# KiCad board PicoGUS.kicad_pcb
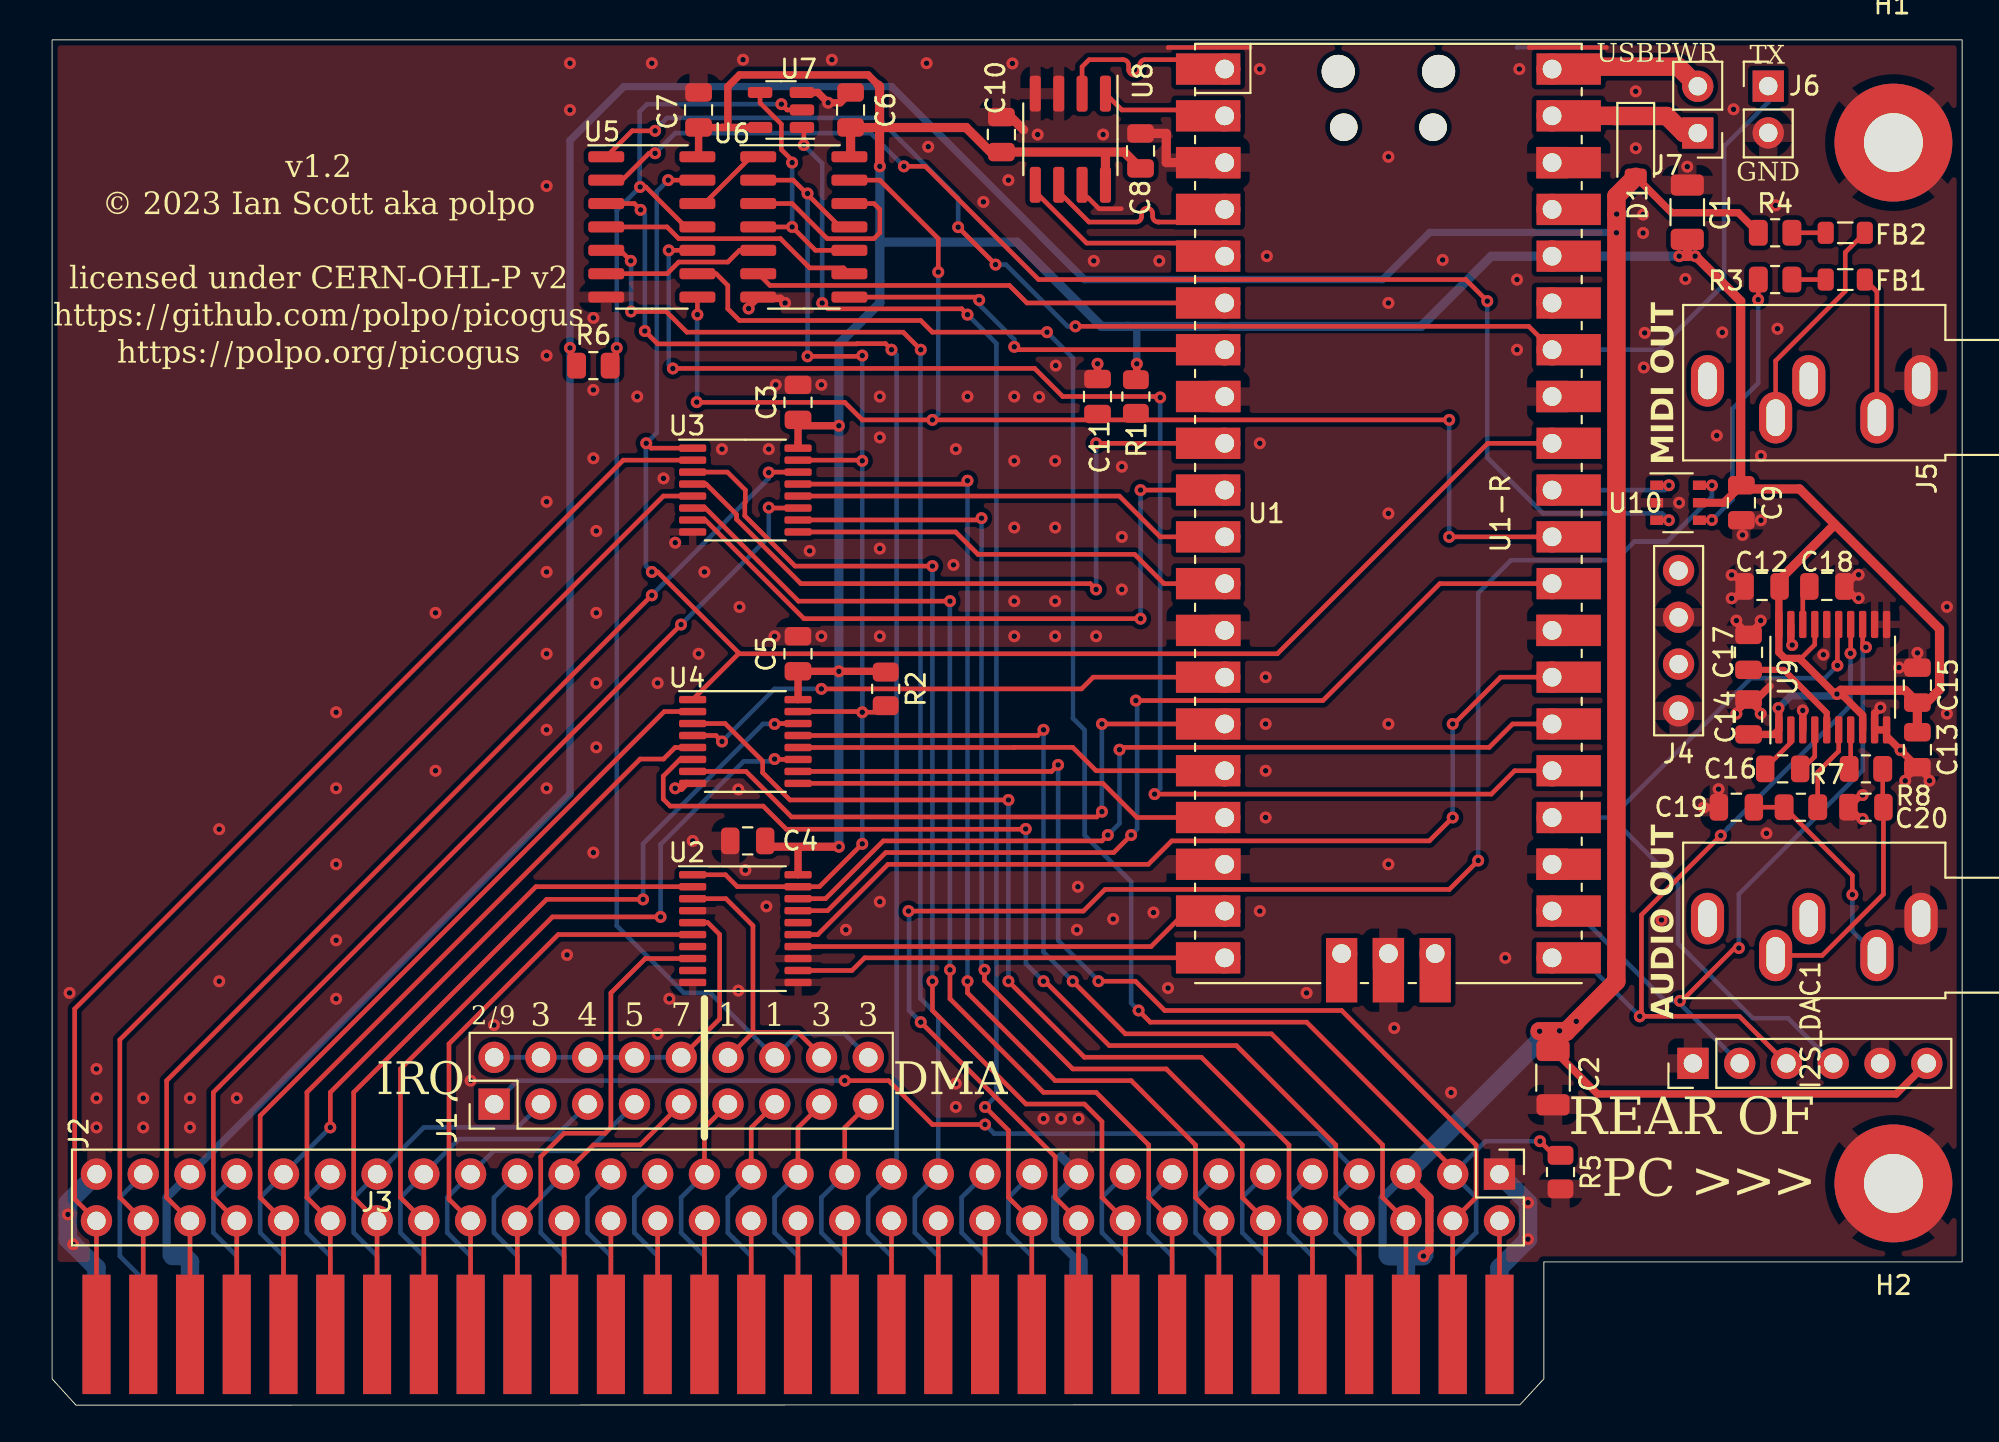
[diagram p0: board, top side]
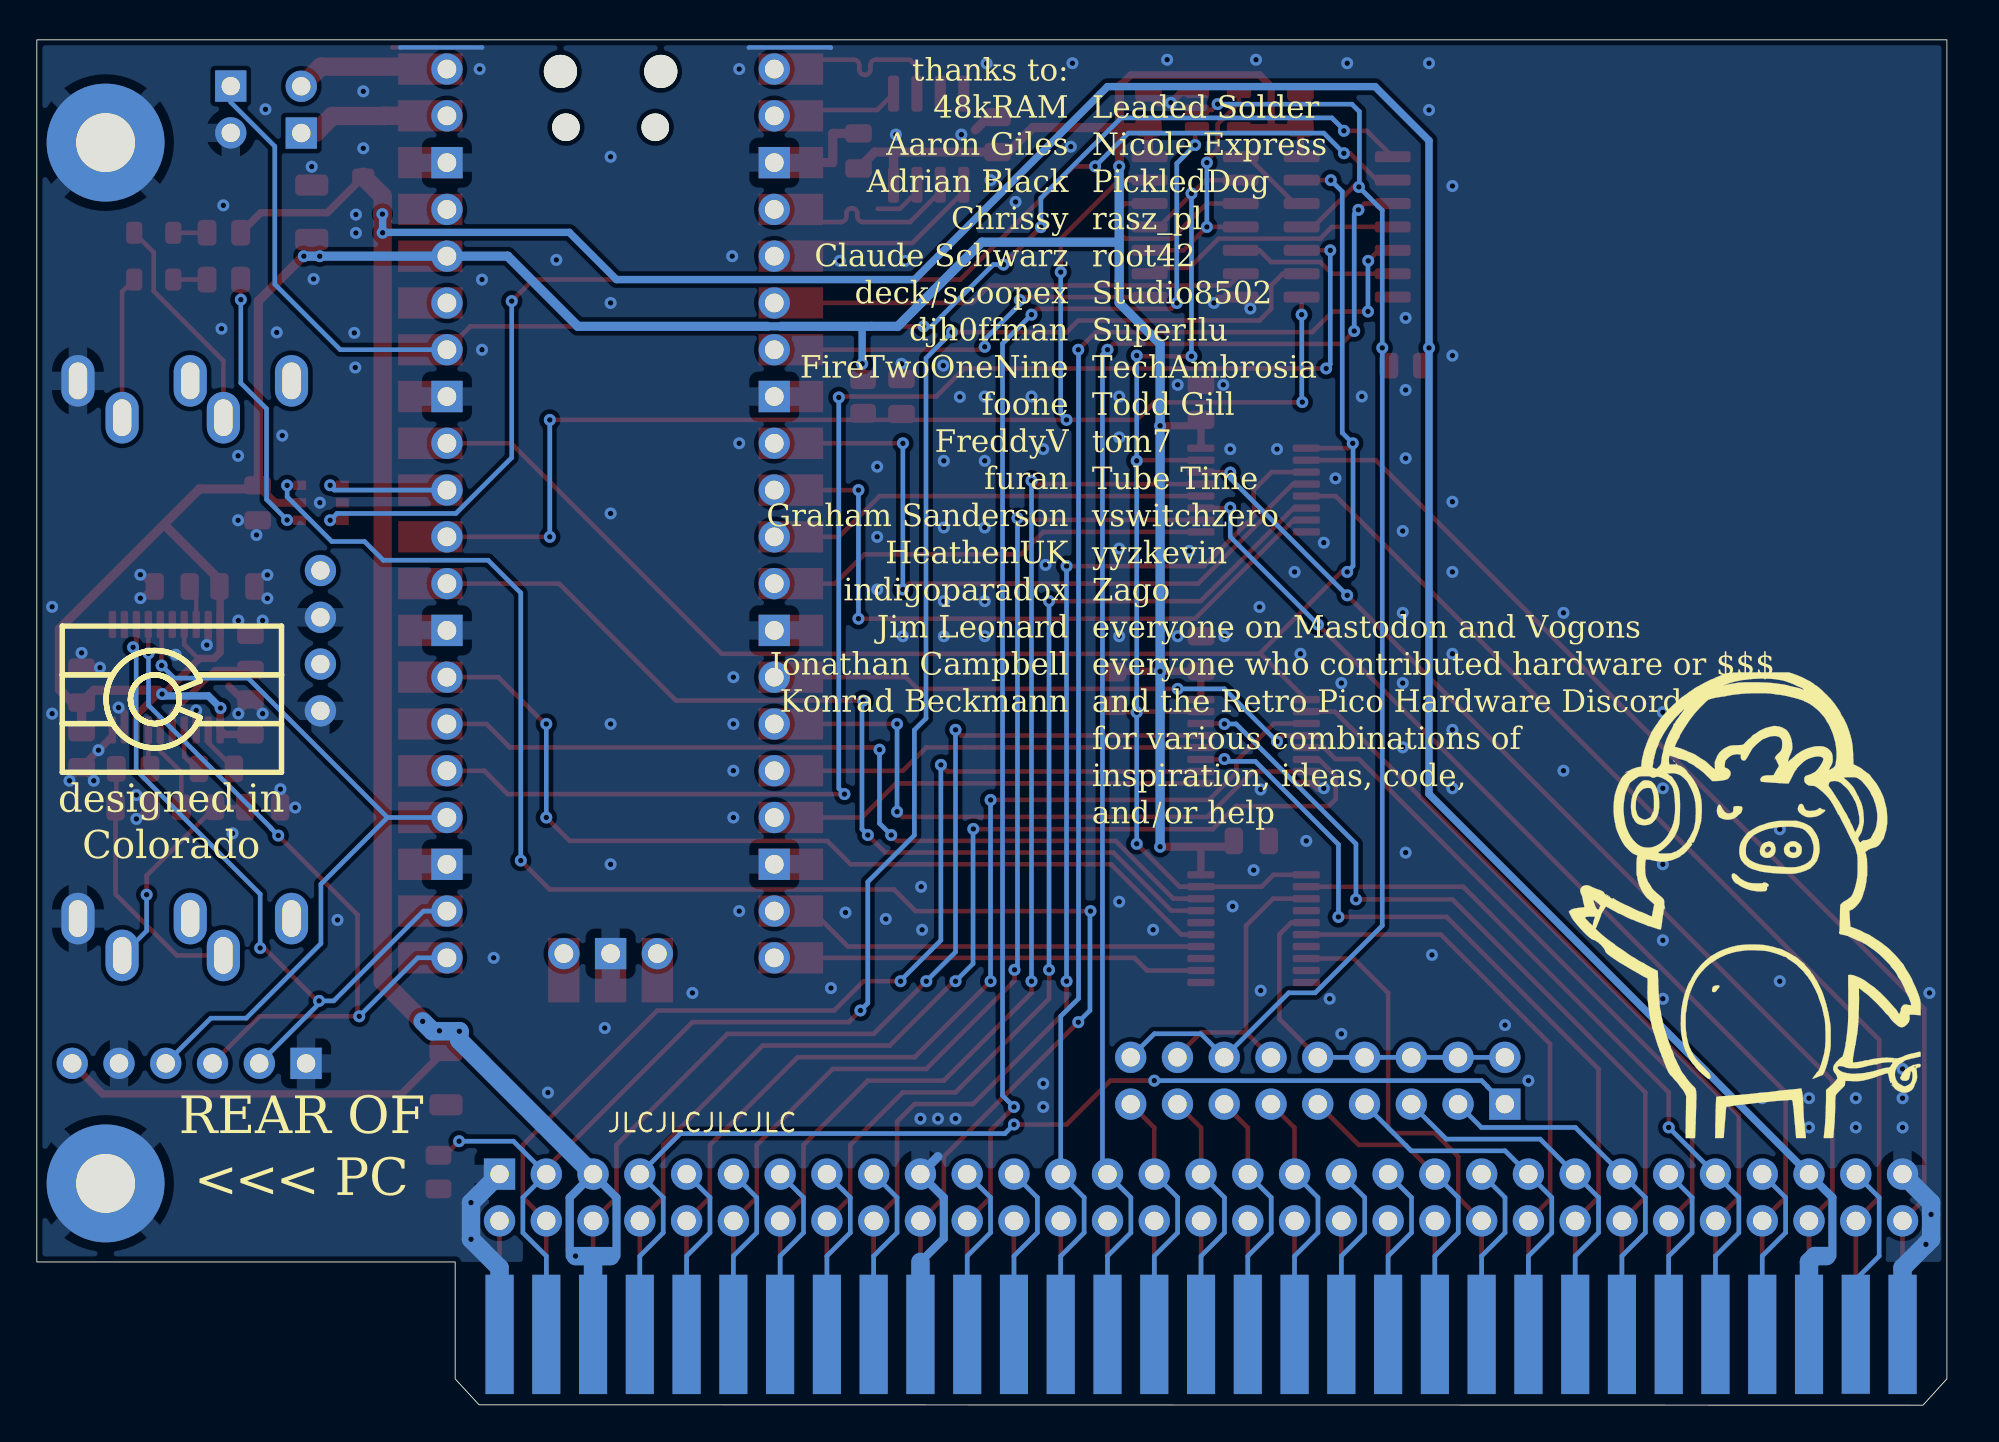
[diagram p1: board, bottom side, seen from below]

Outline 103.74 x 74.14 mm; copper layers: Top, Bottom. Coordinates in mm from the lower left corner of the outline.
Outline path: 103.74,7.78 81.02,7.78 81.02,1.43 79.72,0.02 1.3,0 0,1.43 0,74.14 103.74,74.14 closed
Stack: Top 0.035mm / dielectric 0.48mm FR4 er 4.5 / Bottom 0.035mm

## Placement (name value [footprint] x y rotation side)
C1  47uF  [C_1206_3216Metric]  88.81 64.78 90 top
C2  47uF  [C_1206_3216Metric]  81.52 17.78 270 top
C3  0.1uF  [C_0805_2012Metric]  40.51 54.45 90 top
C4  0.1uF  [C_0805_2012Metric]  37.78 30.64 180 top
C5  0.1uF  [C_0805_2012Metric]  40.51 40.8 90 top
C6  0.1uF  [C_0805_2012Metric]  43.37 70.33 90 top
C7  0.1uF  [C_0805_2012Metric]  35.11 70.33 90 top
C8  0.1uF  [C_0805_2012Metric]  59.12 68.1 90 top
C9  0.1uF  [C_0805_2012Metric]  91.75 49 270 top
C10  1uF  [C_0805_2012Metric]  51.56 68.99 90 top
C11  0.1uF  [C_0805_2012Metric]  56.78 54.77 90 top
C12  0.1uF  [C_0805_2012Metric]  92.87 44.46 0 top
C13  0.1uF  [C_0805_2012Metric]  101.31 35.59 90 top
C14  0.1uF  [C_0805_2012Metric]  92.14 37.37 270 top
C15  10uF  [C_0805_2012Metric]  101.31 39.1 90 top
C16  2.2uF  [C_0805_2012Metric]  93.99 34.55 0 top
C17  2.2uF  [C_0805_2012Metric]  92.14 40.87 90 top
C18  0.1uF  [C_0805_2012Metric]  96.39 44.46 0 top
C19  2.2nF  [C_0805_2012Metric]  91.48 32.47 0 top
C20  2.2nF  [C_0805_2012Metric]  98.51 32.47 0 top
D1  D_Schottky  [D_SOD-123]  86.01 68.35 270 top
FB1  1KOhm @ 100MHz  [L_0805_2012Metric]  97.39 61.12 0 top
FB2  1KOhm @ 100MHz  [L_0805_2012Metric]  97.39 63.66 0 top
H1  -  [MountingHole_3.2mm_M3_Pad]  100.01 68.56 0 top
H2  -  [MountingHole_3.2mm_M3_Pad]  100.01 12.04 0 top
I2S_DAC1  GY PCM5102  [PinHeader_1x06_P2.54mm_Vertical]  89.12 18.56 90 top
J1  IRQDMA_JP  [PinHeader_2x09_P2.54mm_Vertical]  24.01 16.35 90 top
J2  Conn_02x31_Top_Bottom  [PinHeader_2x31_P2.54mm_Vertical]  78.61 12.55 270 top
J3  Bus_ISA_8bit  [BUS_PC_chamfer]  40.51 4.03 0 top
J4  Conn_01x04_Pin  [PinHeader_1x04_P2.54mm_Vertical]  88.34 37.7 180 top
J5  SJ1-3535NG  [Jack_3.5mm_CUI_SJ1-3535NG_Horizontal]  101.51 55.62 270 top
J6  UART_TX  [PinHeader_1x02_P2.54mm_Vertical]  93.21 71.62 0 top
J7  Conn_01x02_Pin  [PinHeader_1x02_P2.54mm_Vertical]  89.38 69.07 180 top
J8  SJ1-3535NG  [Jack_3.5mm_CUI_SJ1-3535NG_Horizontal]  101.51 26.42 270 top
R1  1K  [R_0805_2012Metric]  58.86 54.77 270 top
R2  15K  [R_0805_2012Metric]  45.27 38.89 270 top
R3  220  [R_0805_2012Metric]  93.58 61.12 0 top
R4  220  [R_0805_2012Metric]  93.58 63.66 180 top
R5  15K  [R_0805_2012Metric]  81.92 12.66 270 top
R6  15K  [R_0805_2012Metric]  29.4 56.45 0 top
R7  470  [R_0805_2012Metric]  94.98 32.47 180 top
R8  470  [R_0805_2012Metric]  98.51 34.55 0 top
U1  Pico  [RPi_Pico_SMD_TH]  72.58 48.42 0 top
U1-R  GHOST-20P  [Ghost-20P]  81.47 48.42 90 top
U2  74LVC244  [TSSOP-20_4.4x6.5mm_P0.65mm]  37.65 25.88 0 top
U3  SN74CB3T3257  [TSSOP-16_4.4x5mm_P0.65mm]  37.65 49.69 0 top
U4  SN74CB3T3257  [TSSOP-16_4.4x5mm_P0.65mm]  37.65 36.04 0 top
U5  74AHC14  [SOIC-14_3.9x8.7mm_P1.27mm]  32.57 63.98 0 top
U6  74LVC00  [SOIC-14_3.9x8.7mm_P1.27mm]  40.83 63.98 0 top
U7  74LVC1G00  [SOT-23-5]  39.59 70.33 180 top
U8  APS6404L-3SQR-SN  [SOIC-8_3.9x4.9mm_P1.27mm]  55.31 68.74 270 top
U9  PCM5100  [TSSOP-20_4.4x6.5mm_P0.65mm]  96.71 39.53 90 top
U10  74LVC2G06  [TSOP-6_1.65x3.05mm_P0.95mm]  88.31 49 0 top

## Library data of the parts
C1 C2 = -: Description: Polarized capacitor, US symbol
C3-C11 = -: Description: Unpolarized capacitor
C12-C20 = -: Description: Unpolarized capacitor, small symbol
D1 = -: Description: Schottky diode
FB1 FB2 = -: Description: Ferrite bead
H1 H2 = -: Description: Mounting Hole with connection
I2S_DAC1 = -: Description: Generic connector, single row, 01x06, script generated
J1 = -: Description: Generic connector, double row, 02x09, odd/even pin numbering scheme (row 1 odd numbers, row 2 even numbers), script generated (kicad-library-utils/schlib/autogen/connector/)
J2 = -: Description: Generic connector, double row, 02x31, top/bottom pin numbering scheme (row 1: 1...pins_per_row, row2: pins_per_row+1 ... num_pins), script generated (kicad-library-utils/schlib/autogen/connector/)
J3 = -: Description: 8-bit ISA-PC bus connector
J4 = -: Description: Generic connector, single row, 01x04, script generated
J5 = -: Description: Audio Jack, 3 Poles (Stereo / TRS), Switched TR Poles (Normalling)
J6 = -: Description: Generic connector, single row, 01x02, script generated (kicad-library-utils/schlib/autogen/connector/)
J7 = -: Description: Generic connector, single row, 01x02, script generated
J8 = -: Description: Audio Jack, 3 Poles (Stereo / TRS)
R1-R6 = -: Description: Resistor
R7 R8 = -: Description: Resistor, small symbol
U2 = -: Description: 8-bit Buffer/Line Driver 3-state
U3 U4 = -: Description: 74FST3257DR2G, LOG QUAD 2:1 MULTIPLEXER ON Semiconductor 74FST3257DR2G, Multiplexer Switch IC Quad 2:1 Demultiplexer, 4  5.5 V, 16-Pin SOIC; Arrow Part Number: 74FST3257DR2G; Arrow Price/Stock: https://www.arrow.com/en/products/74fst3257dr2g/on-semiconductor?region=nac; Height: 1.75; Manufacturer_Name: onsemi; Manufacturer_Part_Number: 74FST3257DR2G; Mouser Part Number: 863-74FST3257DR2G; Mouser Price/Stock: https://www.mouser.co.uk/ProductDetail/onsemi/74FST3257DR2G?qs=OSf9jACorvaK4JqsHVrhPw%3D%3D
U5 = -: Description: Hex inverter schmitt trigger
U6 = -: Description: quad 2-input NAND gate
U7 = -: Description: Single NAND Gate, Low-Voltage CMOS
U8 = -: Description: 32 Mbit serial pseudo SRAM device organized as 4Mx8 bits, 1.8 VCC, SOIC8 (SOP8)
U9 = -: Description: 2VRMS DirectPath, 100dB Audio Stereo DAC with 32-bit, 384kHz PCM Interface, TSSOP-20
U10 = -: Description: Dual NOT Gate w/ Open Drain, Low-Voltage CMOS

## Footprints (pads in the part's own frame, mm; a bottom-side part is the same pattern mirrored in y, then rotated)
BUS_PC_chamfer
  rect 1.524x6.478 smd far side: 1(38.1,-0.191) 2(35.56,-0.191) 3(33.02,-0.191) 4(30.48,-0.191) 5(27.94,-0.191) 6(25.4,-0.191) 7(22.86,-0.191) 8(20.32,-0.191) 9(17.78,-0.191) 10(15.24,-0.191) 11(12.7,-0.191) 12(10.16,-0.191) 13(7.62,-0.191) 14(5.08,-0.191) 15(2.54,-0.191) 16(0,-0.191) 17(-2.54,-0.191) 18(-5.08,-0.191) 19(-7.62,-0.191) 20(-10.16,-0.191) 21(-12.7,-0.191) 22(-15.24,-0.191) 23(-17.78,-0.191) 24(-20.32,-0.191) 25(-22.86,-0.191) 26(-25.4,-0.191) 27(-27.94,-0.191) 28(-30.48,-0.191) 29(-33.02,-0.191) 31(-38.1,-0.191)
  rect 1.524x6.458 smd far side: 30(-35.56,-0.181)
  rect 1.524x6.478 smd: 32(38.1,-0.191) 33(35.56,-0.191) 34(33.02,-0.191) 35(30.48,-0.191) 36(27.94,-0.191) 37(25.4,-0.191) 38(22.86,-0.191) 39(20.32,-0.191) 40(17.78,-0.191) 41(15.24,-0.191) 42(12.7,-0.191) 43(10.16,-0.191) 44(7.62,-0.191) 45(5.08,-0.191) 46(2.54,-0.191) 47(0,-0.191) 48(-2.54,-0.191) 49(-5.08,-0.191) 50(-7.62,-0.191) 51(-10.16,-0.191) 52(-12.7,-0.191) 53(-15.24,-0.191) 54(-17.78,-0.191) 55(-20.32,-0.191) 56(-22.86,-0.191) 57(-25.4,-0.191) 58(-27.94,-0.191) 59(-30.48,-0.191) 60(-33.02,-0.191) 61(-35.56,-0.191) 62(-38.1,-0.191)
C_0805_2012Metric
  rrect 1x1.45 smd: 1(-0.95,0) 2(0.95,0)
C_1206_3216Metric
  rrect 1.15x1.8 smd: 1(-1.475,0) 2(1.475,0)
D_SOD-123
  rrect 0.9x1.2 smd: 1(-1.65,0) 2(1.65,0)
Ghost-20P
  round 1 smd: (-24.13,0) (-21.59,0) (-19.05,0) (-16.51,0) (-13.97,0) (-11.43,0) (-8.89,0) (-6.35,0) (-3.81,0) (-1.27,0) (1.27,0) (3.81,0) (6.35,0) (8.89,0) (11.43,0) (13.97,0) (16.51,0) (19.05,0) (21.59,0) (24.13,0)
Jack_3.5mm_CUI_SJ1-3535NG_Horizontal
  oval 2.8x1.8 hole 2x1: R(2,-7.9) RN(0,-6.1) S(0,0) T(2,-2.4) TN(0,-11.6)
L_0805_2012Metric
  rrect 0.875x1.2 smd: 1(-1.062,0) 2(1.062,0)
MountingHole_3.2mm_M3_Pad
  round 6.4 hole 3.2: 1(0,0)
PinHeader_1x02_P2.54mm_Vertical
  rect 1.7x1.7 hole 1: 1(0,0)
  oval 1.7x1.7 hole 1: 2(0,-2.54)
PinHeader_1x04_P2.54mm_Vertical
  oval 1.7x1.7 hole 1: 1(0,0) 2(0,-2.54) 3(0,-5.08) 4(0,-7.62)
PinHeader_1x06_P2.54mm_Vertical
  rect 1.7x1.7 hole 1: 1(0,0)
  oval 1.7x1.7 hole 1: 2(0,-2.54) 3(0,-5.08) 4(0,-7.62) 5(0,-10.16) 6(0,-12.7)
PinHeader_2x09_P2.54mm_Vertical
  rect 1.7x1.7 hole 1: 1(0,0)
  oval 1.7x1.7 hole 1: 2(2.54,0) 3(0,-2.54) 4(2.54,-2.54) 5(0,-5.08) 6(2.54,-5.08) 7(0,-7.62) 8(2.54,-7.62) 9(0,-10.16) 10(2.54,-10.16) 11(0,-12.7) 12(2.54,-12.7) 13(0,-15.24) 14(2.54,-15.24) 15(0,-17.78) 16(2.54,-17.78) 17(0,-20.32) 18(2.54,-20.32)
PinHeader_2x31_P2.54mm_Vertical
  rect 1.7x1.7 hole 1: 1(0,0)
  oval 1.7x1.7 hole 1: 2(0,-2.54) 3(0,-5.08) 4(0,-7.62) 5(0,-10.16) 6(0,-12.7) 7(0,-15.24) 8(0,-17.78) 9(0,-20.32) 10(0,-22.86) 11(0,-25.4) 12(0,-27.94) 13(0,-30.48) 14(0,-33.02) 15(0,-35.56) 16(0,-38.1) 17(0,-40.64) 18(0,-43.18) 19(0,-45.72) 20(0,-48.26) 21(0,-50.8) 22(0,-53.34) 23(0,-55.88) 24(0,-58.42) 25(0,-60.96) 26(0,-63.5) 27(0,-66.04) 28(0,-68.58) 29(0,-71.12) 30(0,-73.66) 31(0,-76.2) 32(2.54,0) 33(2.54,-2.54) 34(2.54,-5.08) 35(2.54,-7.62) 36(2.54,-10.16) 37(2.54,-12.7) 38(2.54,-15.24) 39(2.54,-17.78) 40(2.54,-20.32) 41(2.54,-22.86) 42(2.54,-25.4) 43(2.54,-27.94) 44(2.54,-30.48) 45(2.54,-33.02) 46(2.54,-35.56) 47(2.54,-38.1) 48(2.54,-40.64) 49(2.54,-43.18) 50(2.54,-45.72) 51(2.54,-48.26) 52(2.54,-50.8) 53(2.54,-53.34) 54(2.54,-55.88) 55(2.54,-58.42) 56(2.54,-60.96) 57(2.54,-63.5) 58(2.54,-66.04) 59(2.54,-68.58) 60(2.54,-71.12) 61(2.54,-73.66) 62(2.54,-76.2)
R_0805_2012Metric
  rrect 1.025x1.4 smd: 1(-0.912,0) 2(0.912,0)
RPi_Pico_SMD_TH
  oval 1.8x1.8 hole 1.8 unplated: (-2.725,24) (2.725,24)
  oval 1.5x1.5 hole 1.5 unplated: (-2.425,20.97) (2.425,20.97)
  oval 1.7x1.7 hole 1.02: 1(-8.89,24.13) 2(-8.89,21.59) 4(-8.89,16.51) 5(-8.89,13.97) 6(-8.89,11.43) 7(-8.89,8.89) 9(-8.89,3.81) 10(-8.89,1.27) 11(-8.89,-1.27) 12(-8.89,-3.81) 14(-8.89,-8.89) 15(-8.89,-11.43) 16(-8.89,-13.97) 17(-8.89,-16.51) 19(-8.89,-21.59) 20(-8.89,-24.13) 21(8.89,-24.13) 22(8.89,-21.59) 24(8.89,-16.51) 25(8.89,-13.97) 26(8.89,-11.43) 27(8.89,-8.89) 29(8.89,-3.81) 30(8.89,-1.27) 31(8.89,1.27) 32(8.89,3.81) 34(8.89,8.89) 35(8.89,11.43) 36(8.89,13.97) 37(8.89,16.51) 39(8.89,21.59) 40(8.89,24.13) 41(-2.54,-23.9) 43(2.54,-23.9)
  rect 3.5x1.7 smd: 1(-8.89,24.13) 2(-8.89,21.59) 3(-8.89,19.05) 4(-8.89,16.51) 5(-8.89,13.97) 6(-8.89,11.43) 7(-8.89,8.89) 8(-8.89,6.35) 9(-8.89,3.81) 10(-8.89,1.27) 11(-8.89,-1.27) 12(-8.89,-3.81) 13(-8.89,-6.35) 14(-8.89,-8.89) 15(-8.89,-11.43) 16(-8.89,-13.97) 17(-8.89,-16.51) 18(-8.89,-19.05) 19(-8.89,-21.59) 20(-8.89,-24.13) 21(8.89,-24.13) 22(8.89,-21.59) 23(8.89,-19.05) 24(8.89,-16.51) 25(8.89,-13.97) 26(8.89,-11.43) 27(8.89,-8.89) 28(8.89,-6.35) 29(8.89,-3.81) 30(8.89,-1.27) 31(8.89,1.27) 32(8.89,3.81) 33(8.89,6.35) 34(8.89,8.89) 35(8.89,11.43) 36(8.89,13.97) 37(8.89,16.51) 38(8.89,19.05) 39(8.89,21.59) 40(8.89,24.13)
  rect 1.7x1.7 hole 1.02: 3(-8.89,19.05) 8(-8.89,6.35) 13(-8.89,-6.35) 18(-8.89,-19.05) 23(8.89,-19.05) 28(8.89,-6.35) 33(8.89,6.35) 38(8.89,19.05) 42(0,-23.9)
  rect 1.7x3.5 smd: 41(-2.54,-23.9) 42(0,-23.9) 43(2.54,-23.9)
SOIC-8_3.9x4.9mm_P1.27mm
  rrect 1.95x0.6 smd: 1(-2.475,1.905) 2(-2.475,0.635) 3(-2.475,-0.635) 4(-2.475,-1.905) 5(2.475,-1.905) 6(2.475,-0.635) 7(2.475,0.635) 8(2.475,1.905)
SOIC-14_3.9x8.7mm_P1.27mm
  rrect 1.95x0.6 smd: 1(-2.475,3.81) 2(-2.475,2.54) 3(-2.475,1.27) 4(-2.475,0) 5(-2.475,-1.27) 6(-2.475,-2.54) 7(-2.475,-3.81) 8(2.475,-3.81) 9(2.475,-2.54) 10(2.475,-1.27) 11(2.475,0) 12(2.475,1.27) 13(2.475,2.54) 14(2.475,3.81)
SOT-23-5
  rrect 1.325x0.6 smd: 1(-1.137,0.95) 2(-1.137,0) 3(-1.137,-0.95) 4(1.137,-0.95) 5(1.137,0.95)
TSOP-6_1.65x3.05mm_P0.95mm
  rect 0.7x0.51 smd: 1(-1.16,0.95) 2(-1.16,0) 3(-1.16,-0.95) 4(1.16,-0.95) 5(1.16,0) 6(1.16,0.95)
TSSOP-16_4.4x5mm_P0.65mm
  rrect 1.475x0.4 smd: 1(-2.862,2.275) 2(-2.862,1.625) 3(-2.862,0.975) 4(-2.862,0.325) 5(-2.862,-0.325) 6(-2.862,-0.975) 7(-2.862,-1.625) 8(-2.862,-2.275) 9(2.862,-2.275) 10(2.862,-1.625) 11(2.862,-0.975) 12(2.862,-0.325) 13(2.862,0.325) 14(2.862,0.975) 15(2.862,1.625) 16(2.862,2.275)
TSSOP-20_4.4x6.5mm_P0.65mm
  rrect 1.475x0.4 smd: 1(-2.862,2.925) 2(-2.862,2.275) 3(-2.862,1.625) 4(-2.862,0.975) 5(-2.862,0.325) 6(-2.862,-0.325) 7(-2.862,-0.975) 8(-2.862,-1.625) 9(-2.862,-2.275) 10(-2.862,-2.925) 11(2.862,-2.925) 12(2.862,-2.275) 13(2.862,-1.625) 14(2.862,-0.975) 15(2.862,-0.325) 16(2.862,0.325) 17(2.862,0.975) 18(2.862,1.625) 19(2.862,2.275) 20(2.862,2.925)
